# Altium PCB PM12_CFD.PcbDoc (part 10 of 12)
Units mm, origin at the board's own origin, x right, y up, seen from the top; angles counter-clockwise.
Board outline 96.25 x 362.25 mm, 6 copper layers (Top Layer, Mid-Layer 1, Mid-Layer 2, Mid-Layer 3, Mid-Layer 4, Bottom Layer); 1413 components, 2881 nets, 4503 pads, 1682 vias.
Unrouted connection lines stored in the file: 4.
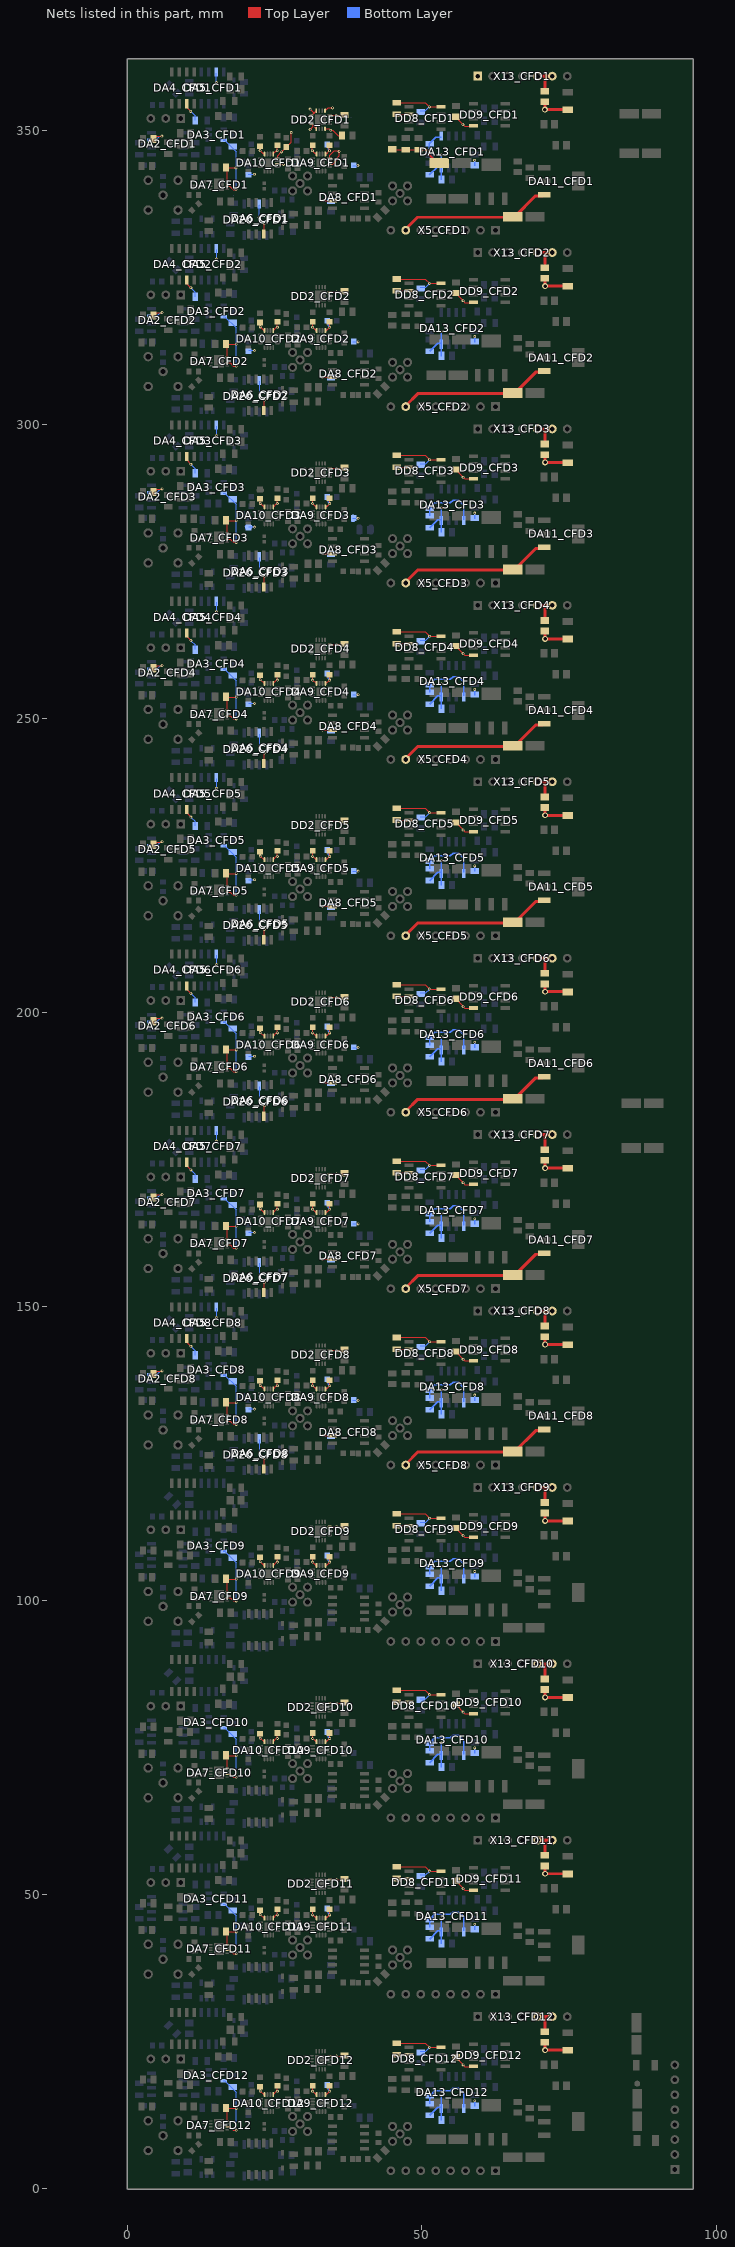
[diagram p14: the nets of this part, all layers, seen from the top]

## Via types
v1: diameter 0.48, hole 0.25, Top Layer to Bottom Layer, 1581 vias
v2: diameter 1, hole 0.6, Top Layer to Bottom Layer, 46 vias
v3: diameter 0.2/0/0/0/0/0.48 (per signal layer), hole 0.25, Top Layer to Bottom Layer, 33 vias
v4: diameter 4, hole 2.2, Top Layer to Bottom Layer, 12 vias
v5: diameter 0.5/0/0/0/0/1 (per signal layer), hole 0.6, Top Layer to Bottom Layer, 10 vias

## Nets (pads, with @x,y where several pads share a name; then routed paths per layer and width w, separated by ;. In a path a pad name is that pad's centre, name@x,y a point inside that pad or via, vN(x,y) a via of type N, cw(c..) or ccw(c..) an arc to the next point about the centre after c; other vN are vias at no path point) (continued)
NetDA13_CFD3_1: DA13_CFD3.1 R28_CFD3.1 R29_CFD3.2 | length 10.5
  Bottom Layer w0.25: R29_CFD3.2@51.3,284.4 51.3,285.685 51.285,285.7 52.2,286.615 54.845,286.615 55.295,287.065 56.235,287.065 57.114,286.185 DA13_CFD3.1@57.114,283.8
NetDA13_CFD4_1: DA13_CFD4.1 R28_CFD4.1 R29_CFD4.2 | length 10.5
  Bottom Layer w0.25: R29_CFD4.2@51.3,254.4 51.3,255.685 51.285,255.7 52.2,256.615 54.845,256.615 55.295,257.065 56.235,257.065 57.114,256.185 DA13_CFD4.1@57.114,253.8
NetDA13_CFD5_1: DA13_CFD5.1 R28_CFD5.1 R29_CFD5.2 | length 10.5
  Bottom Layer w0.25: R29_CFD5.2@51.3,224.4 51.3,225.685 51.285,225.7 52.2,226.615 54.845,226.615 55.295,227.065 56.235,227.065 57.114,226.185 DA13_CFD5.1@57.114,223.8
NetDA13_CFD6_1: DA13_CFD6.1 R28_CFD6.1 R29_CFD6.2 | length 10.5
  Bottom Layer w0.25: R29_CFD6.2@51.3,194.4 51.3,195.685 51.285,195.7 52.2,196.615 54.845,196.615 55.295,197.065 56.235,197.065 57.114,196.185 DA13_CFD6.1@57.114,193.8
NetDA13_CFD7_1: DA13_CFD7.1 R28_CFD7.1 R29_CFD7.2 | length 10.5
  Bottom Layer w0.25: R29_CFD7.2@51.3,164.4 51.3,165.685 51.285,165.7 52.2,166.615 54.845,166.615 55.295,167.065 56.235,167.065 57.114,166.185 DA13_CFD7.1@57.114,163.8
NetDA13_CFD8_1: DA13_CFD8.1 R28_CFD8.1 R29_CFD8.2 | length 10.5
  Bottom Layer w0.25: R29_CFD8.2@51.3,134.4 51.3,135.685 51.285,135.7 52.2,136.615 54.845,136.615 55.295,137.065 56.235,137.065 57.114,136.185 DA13_CFD8.1@57.114,133.8
NetDA13_CFD9_1: DA13_CFD9.1 R28_CFD9.1 R29_CFD9.2 | length 10.5
  Bottom Layer w0.25: R29_CFD9.2@51.3,104.4 51.3,105.685 51.285,105.7 52.2,106.615 54.845,106.615 55.295,107.065 56.235,107.065 57.114,106.185 DA13_CFD9.1@57.114,103.8
NetDA13_CFD10_1: DA13_CFD10.1 R28_CFD10.1 R29_CFD10.2 | length 10.5
  Bottom Layer w0.25: R29_CFD10.2@51.3,74.4 51.3,75.685 51.285,75.7 52.2,76.615 54.845,76.615 55.295,77.065 56.235,77.065 57.114,76.185 DA13_CFD10.1@57.114,73.8
NetDA13_CFD11_1: DA13_CFD11.1 R28_CFD11.1 R29_CFD11.2 | length 10.5
  Bottom Layer w0.25: R29_CFD11.2@51.3,44.4 51.3,45.685 51.285,45.7 52.2,46.615 54.845,46.615 55.295,47.065 56.235,47.065 57.114,46.185 DA13_CFD11.1@57.114,43.8
NetDA13_CFD12_1: DA13_CFD12.1 R28_CFD12.1 R29_CFD12.2 | length 10.5
  Bottom Layer w0.25: R29_CFD12.2@51.3,14.4 51.3,15.685 51.285,15.7 52.2,16.615 54.845,16.615 55.295,17.065 56.235,17.065 57.114,16.185 DA13_CFD12.1@57.114,13.8
NetDD8_CFD1_2: DD8_CFD1.2 R5_CFD1.1 | length 2.3
  Top Layer w0.2: R5_CFD1.1@45.67,352.7 45.684,352.686 DD8_CFD1.2@47.985,352.686
NetDD8_CFD2_2: DD8_CFD2.2 R5_CFD2.1 | length 2.3
  Top Layer w0.2: R5_CFD2.1@45.7,322.7 45.714,322.686 DD8_CFD2.2@48.015,322.686
NetDD8_CFD3_2: DD8_CFD3.2 R5_CFD3.1 | length 2.3
  Top Layer w0.2: R5_CFD3.1@45.7,292.7 45.714,292.686 DD8_CFD3.2@48.015,292.686
NetDD8_CFD4_2: DD8_CFD4.2 R5_CFD4.1 | length 2.3
  Top Layer w0.2: R5_CFD4.1@45.7,262.7 45.714,262.686 DD8_CFD4.2@48.015,262.686
NetDD8_CFD5_2: DD8_CFD5.2 R5_CFD5.1 | length 2.3
  Top Layer w0.2: R5_CFD5.1@45.7,232.7 45.714,232.686 DD8_CFD5.2@48.015,232.686
NetDD8_CFD6_2: DD8_CFD6.2 R5_CFD6.1 | length 2.3
  Top Layer w0.2: R5_CFD6.1@45.7,202.7 45.714,202.686 DD8_CFD6.2@48.015,202.686
NetDD8_CFD7_2: DD8_CFD7.2 R5_CFD7.1 | length 2.3
  Top Layer w0.2: R5_CFD7.1@45.7,172.7 45.714,172.686 DD8_CFD7.2@48.015,172.686
NetDD8_CFD8_2: DD8_CFD8.2 R5_CFD8.1 | length 2.3
  Top Layer w0.2: R5_CFD8.1@45.7,142.7 45.714,142.686 DD8_CFD8.2@48.015,142.686
NetDD8_CFD9_2: DD8_CFD9.2 R5_CFD9.1 | length 2.3
  Top Layer w0.2: R5_CFD9.1@45.7,112.7 45.714,112.686 DD8_CFD9.2@48.015,112.686
NetDD8_CFD10_2: DD8_CFD10.2 R5_CFD10.1 | length 2.3
  Top Layer w0.2: R5_CFD10.1@45.7,82.7 45.714,82.686 DD8_CFD10.2@48.015,82.686
NetDD8_CFD11_2: DD8_CFD11.2 R5_CFD11.1 | length 2.3
  Top Layer w0.2: R5_CFD11.1@45.7,52.7 45.714,52.686 DD8_CFD11.2@48.015,52.686
NetDD8_CFD12_2: DD8_CFD12.2 R5_CFD12.1 | length 2.3
  Top Layer w0.2: R5_CFD12.1@45.7,22.7 45.714,22.686 DD8_CFD12.2@48.015,22.686
NetL1_CFD1_2: L1_CFD1.2 X13_CFD1.5 X13_CFD1.6 | length 5.1
  Top Layer w0.5: X13_CFD1.5@69.63,359.2 70.9,359.2 ; L1_CFD1.2@70.9,356.627 70.9,359.2 ; X13_CFD1.6@72.17,359.2 70.9,359.2
NetL1_CFD2_2: L1_CFD2.2 X13_CFD2.5 X13_CFD2.6 | length 4.4
  Top Layer w0.5: X13_CFD2.5@69.66,329.2 70.93,329.2 ; 70.93,327.3 70.93,329.2 ; X13_CFD2.6@72.2,329.2 70.93,329.2
NetL1_CFD3_2: L1_CFD3.2 X13_CFD3.5 X13_CFD3.6 | length 4.4
  Top Layer w0.5: X13_CFD3.5@69.66,299.2 70.93,299.2 ; 70.93,297.3 70.93,299.2 ; X13_CFD3.6@72.2,299.2 70.93,299.2
NetL1_CFD4_2: L1_CFD4.2 X13_CFD4.5 X13_CFD4.6 | length 4.4
  Top Layer w0.5: X13_CFD4.5@69.66,269.2 70.93,269.2 ; 70.93,267.3 70.93,269.2 ; X13_CFD4.6@72.2,269.2 70.93,269.2
NetL1_CFD5_2: L1_CFD5.2 X13_CFD5.5 X13_CFD5.6 | length 4.4
  Top Layer w0.5: X13_CFD5.5@69.66,239.2 70.93,239.2 ; 70.93,237.3 70.93,239.2 ; X13_CFD5.6@72.2,239.2 70.93,239.2
NetL1_CFD6_2: L1_CFD6.2 X13_CFD6.5 X13_CFD6.6 | length 4.4
  Top Layer w0.5: X13_CFD6.5@69.66,209.2 70.93,209.2 ; 70.93,207.3 70.93,209.2 ; X13_CFD6.6@72.2,209.2 70.93,209.2
NetL1_CFD7_2: L1_CFD7.2 X13_CFD7.5 X13_CFD7.6 | length 4.4
  Top Layer w0.5: X13_CFD7.5@69.66,179.2 70.93,179.2 ; 70.93,177.3 70.93,179.2 ; X13_CFD7.6@72.2,179.2 70.93,179.2
NetL1_CFD8_2: L1_CFD8.2 X13_CFD8.5 X13_CFD8.6 | length 4.4
  Top Layer w0.5: X13_CFD8.5@69.66,149.2 70.93,149.2 ; 70.93,147.3 70.93,149.2 ; X13_CFD8.6@72.2,149.2 70.93,149.2
NetL1_CFD9_2: L1_CFD9.2 X13_CFD9.5 X13_CFD9.6 | length 4.4
  Top Layer w0.5: X13_CFD9.5@69.66,119.2 70.93,119.2 ; 70.93,117.3 70.93,119.2 ; X13_CFD9.6@72.2,119.2 70.93,119.2
NetL1_CFD10_2: L1_CFD10.2 X13_CFD10.5 X13_CFD10.6 | length 4.4
  Top Layer w0.5: X13_CFD10.5@69.66,89.2 70.93,89.2 ; 70.93,87.3 70.93,89.2 ; X13_CFD10.6@72.2,89.2 70.93,89.2
NetL1_CFD11_2: L1_CFD11.2 X13_CFD11.5 X13_CFD11.6 | length 4.4
  Top Layer w0.5: X13_CFD11.5@69.66,59.2 70.93,59.2 ; 70.93,57.3 70.93,59.2 ; X13_CFD11.6@72.2,59.2 70.93,59.2
NetL1_CFD12_2: L1_CFD12.2 X13_CFD12.5 X13_CFD12.6 | length 4.4
  Top Layer w0.5: X13_CFD12.5@69.66,29.2 70.93,29.2 ; 70.93,27.3 70.93,29.2 ; X13_CFD12.6@72.2,29.2 70.93,29.2
P1V3_CFD1: C8_CFD1.2 C18_CFD1.2 C42_CFD1.1 C72_CFD1.2 DA9_CFD1.6 DA9_CFD1.8 DA10_CFD1.6 DA10_CFD1.8 DA13_CFD1.5 DD2_CFD1.1 DD2_CFD1.4 DD2_CFD1.5 DD2_CFD1.8 DD2_CFD1.13 DD2_CFD1.16 R3_CFD1.2 R7_CFD1.2 R28_CFD1.2 X13_CFD1.1 | length 33.1
  Top Layer w0.2: DA10_CFD1.6@25.47,344.25 26.35,344.25 v1@26.4,344.2 ; DA10_CFD1.8@25.47,345.25 25.47,345.679 v1(26.1,346.309) 26.159,346.309 26.9,347.05 27.8,347.95 27.8,349.57 v1(27.77,349.6) ; v1(30.97,350.105) 31.52,350.655 ; v1(30.97,353.6) 31.645,352.925 ; DD2_CFD1.4@31.27,351.03 DD2_CFD1.5@32.02,350.28 ; DD2_CFD1.1@31.27,352.53 DD2_CFD1.16@32.02,353.28 ; DD2_CFD1.8@33.52,350.28 34.19,350.28 v1(34.47,350) 34.863,350 35.763,349.1 36.3,349.1 C72_CFD1.2@36.4,349.1 ; DD2_CFD1.13@33.52,353.28 34.04,353.8 v1(34.78,353.8) ; DA9_CFD1.6@34.32,344.25 34.79,344.25 35.47,344.93 35.47,345.245 35.92,345.695 v1@35.92,346.4 ; DA9_CFD1.8@34.32,345.25 34.32,345.743 35.067,346.49 35.81,346.49 v1(35.9,346.4) ; C72_CFD1.2@36.3,349.164 C72_CFD1.2@36.318,349.182 ; C8_CFD1.2@44.97,346.65 47.27,346.65 49.37,346.65 v1(51.185,346.65)
  Top Layer w0.25: v1(51.185,346.65) 51.185,345.935 C42_CFD1.1@52.67,344.45
  Bottom Layer w0.25: v1(51.185,346.65) 51.255,346.72 51.255,347.7 52.355,348.8 DA13_CFD1.5@53.274,348.8
  other v1: 26.43,344.2
P1V3_CFD2: C8_CFD2.2 C18_CFD2.2 C42_CFD2.1 C72_CFD2.2 DA9_CFD2.6 DA9_CFD2.8 DA10_CFD2.6 DA10_CFD2.8 DA13_CFD2.5 DD2_CFD2.1 DD2_CFD2.4 DD2_CFD2.5 DD2_CFD2.8 DD2_CFD2.13 DD2_CFD2.16 R3_CFD2.2 R7_CFD2.2 R28_CFD2.2 X13_CFD2.1 | length 33.1
  Top Layer w0.2: DA10_CFD2.6@25.5,314.25 26.38,314.25 v1@26.43,314.2 ; DA10_CFD2.8@25.5,315.25 25.5,315.679 v1(26.13,316.309) 26.189,316.309 26.93,317.05 27.83,317.95 27.83,319.57 v1(27.8,319.6) ; v1(31,320.105) 31.55,320.655 ; v1(31,323.6) 31.675,322.925 ; DD2_CFD2.4@31.3,321.03 DD2_CFD2.5@32.05,320.28 ; DD2_CFD2.1@31.3,322.53 DD2_CFD2.16@32.05,323.28 ; DD2_CFD2.8@33.55,320.28 34.22,320.28 v1(34.5,320) 34.893,320 35.793,319.1 C72_CFD2.2@36.43,319.1 ; DD2_CFD2.13@33.55,323.28 34.07,323.8 v1(34.81,323.8) ; DA9_CFD2.6@34.35,314.25 34.82,314.25 35.5,314.93 35.5,315.245 35.95,315.695 v1@35.95,316.4 ; DA9_CFD2.8@34.35,315.25 34.35,315.743 35.097,316.49 35.84,316.49 v1(35.93,316.4) ; C72_CFD2.2@36.33,319.164 C72_CFD2.2@36.348,319.182 ; C8_CFD2.2@45,316.65 47.3,316.65 49.4,316.65 v1(51.215,316.65)
  Top Layer w0.25: v1(51.215,316.65) 51.215,315.935 C42_CFD2.1@52.7,314.45
  Bottom Layer w0.25: v1(51.215,316.65) 51.285,316.72 51.285,317.7 52.385,318.8 DA13_CFD2.5@53.304,318.8
  other v1: 26.46,314.2
P1V3_CFD2: 
P1V3_CFD3: C8_CFD3.2 C18_CFD3.2 C42_CFD3.1 C72_CFD3.2 DA9_CFD3.6 DA9_CFD3.8 DA10_CFD3.6 DA10_CFD3.8 DA13_CFD3.5 DD2_CFD3.1 DD2_CFD3.4 DD2_CFD3.5 DD2_CFD3.8 DD2_CFD3.13 DD2_CFD3.16 R3_CFD3.2 R7_CFD3.2 R28_CFD3.2 X13_CFD3.1 | length 33.1
  Top Layer w0.2: DA10_CFD3.6@25.5,284.25 26.38,284.25 26.43,284.2 ; DA10_CFD3.8@25.5,285.25 25.5,285.679 v1(26.13,286.309) 26.189,286.309 26.93,287.05 27.83,287.95 27.83,289.57 v1(27.8,289.6) ; v1(31,290.105) 31.55,290.655 ; v1(31,293.6) 31.675,292.925 ; DD2_CFD3.4@31.3,291.03 DD2_CFD3.5@32.05,290.28 ; DD2_CFD3.1@31.3,292.53 DD2_CFD3.16@32.05,293.28 ; DD2_CFD3.8@33.55,290.28 34.22,290.28 v1(34.5,290) 34.893,290 35.793,289.1 C72_CFD3.2@36.43,289.1 ; DD2_CFD3.13@33.55,293.28 34.07,293.8 v1(34.81,293.8) ; DA9_CFD3.6@34.35,284.25 34.82,284.25 35.5,284.93 35.5,285.245 35.95,285.695 v1@35.95,286.4 ; DA9_CFD3.8@34.35,285.25 34.35,285.743 35.097,286.49 35.84,286.49 v1(35.93,286.4) ; C72_CFD3.2@36.33,289.164 C72_CFD3.2@36.348,289.182 ; C8_CFD3.2@45,286.65 47.3,286.65 49.4,286.65 v1(51.215,286.65)
  Top Layer w0.25: v1(51.215,286.65) 51.215,285.935 C42_CFD3.1@52.7,284.45
  Bottom Layer w0.25: v1(51.215,286.65) 51.285,286.72 51.285,287.7 52.385,288.8 DA13_CFD3.5@53.304,288.8
P1V3_CFD3: 
P1V3_CFD4: C8_CFD4.2 C18_CFD4.2 C42_CFD4.1 C72_CFD4.2 DA9_CFD4.6 DA9_CFD4.8 DA10_CFD4.6 DA10_CFD4.8 DA13_CFD4.5 DD2_CFD4.1 DD2_CFD4.4 DD2_CFD4.5 DD2_CFD4.8 DD2_CFD4.13 DD2_CFD4.16 R3_CFD4.2 R7_CFD4.2 R28_CFD4.2 X13_CFD4.1 | length 33.1
  Top Layer w0.2: DA10_CFD4.6@25.5,254.25 26.38,254.25 v1@26.43,254.2 ; DA10_CFD4.8@25.5,255.25 25.5,255.679 v1(26.13,256.309) 26.189,256.309 26.93,257.05 27.83,257.95 27.83,259.57 v1(27.8,259.6) ; v1(31,260.105) 31.55,260.655 ; v1(31,263.6) 31.675,262.925 ; DD2_CFD4.4@31.3,261.03 DD2_CFD4.5@32.05,260.28 ; DD2_CFD4.1@31.3,262.53 DD2_CFD4.16@32.05,263.28 ; DD2_CFD4.8@33.55,260.28 34.22,260.28 v1(34.5,260) 34.893,260 35.793,259.1 C72_CFD4.2@36.43,259.1 ; DD2_CFD4.13@33.55,263.28 34.07,263.8 v1(34.81,263.8) ; DA9_CFD4.6@34.35,254.25 34.82,254.25 35.5,254.93 35.5,255.245 35.95,255.695 v1@35.95,256.4 ; DA9_CFD4.8@34.35,255.25 34.35,255.743 35.097,256.49 35.84,256.49 v1(35.93,256.4) ; C72_CFD4.2@36.33,259.164 C72_CFD4.2@36.348,259.182 ; C8_CFD4.2@45,256.65 47.3,256.65 49.4,256.65 v1(51.215,256.65)
  Top Layer w0.25: v1(51.215,256.65) 51.215,255.935 C42_CFD4.1@52.7,254.45
  Bottom Layer w0.25: v1(51.215,256.65) 51.285,256.72 51.285,257.7 52.385,258.8 DA13_CFD4.5@53.304,258.8
  other v1: 26.46,254.2
P1V3_CFD4: 
P1V3_CFD5: C8_CFD5.2 C18_CFD5.2 C42_CFD5.1 C72_CFD5.2 DA9_CFD5.6 DA9_CFD5.8 DA10_CFD5.6 DA10_CFD5.8 DA13_CFD5.5 DD2_CFD5.1 DD2_CFD5.4 DD2_CFD5.5 DD2_CFD5.8 DD2_CFD5.13 DD2_CFD5.16 R3_CFD5.2 R7_CFD5.2 R28_CFD5.2 X13_CFD5.1 | length 33.1
  Top Layer w0.2: DA10_CFD5.6@25.5,224.25 26.38,224.25 v1@26.43,224.2 ; DA10_CFD5.8@25.5,225.25 25.5,225.679 v1(26.13,226.309) 26.189,226.309 26.93,227.05 27.83,227.95 27.83,229.57 v1(27.8,229.6) ; v1(31,230.105) 31.55,230.655 ; v1(31,233.6) 31.675,232.925 ; DD2_CFD5.4@31.3,231.03 DD2_CFD5.5@32.05,230.28 ; DD2_CFD5.1@31.3,232.53 DD2_CFD5.16@32.05,233.28 ; DD2_CFD5.8@33.55,230.28 34.22,230.28 v1(34.5,230) 34.893,230 35.793,229.1 C72_CFD5.2@36.43,229.1 ; DD2_CFD5.13@33.55,233.28 34.07,233.8 v1(34.81,233.8) ; DA9_CFD5.6@34.35,224.25 34.82,224.25 35.5,224.93 35.5,225.245 35.95,225.695 v1@35.95,226.4 ; DA9_CFD5.8@34.35,225.25 34.35,225.743 35.097,226.49 35.84,226.49 v1(35.93,226.4) ; C72_CFD5.2@36.33,229.164 C72_CFD5.2@36.348,229.182 ; C8_CFD5.2@45,226.65 47.3,226.65 49.4,226.65 v1(51.215,226.65)
  Top Layer w0.25: v1(51.215,226.65) 51.215,225.935 C42_CFD5.1@52.7,224.45
  Bottom Layer w0.25: v1(51.215,226.65) 51.285,226.72 51.285,227.7 52.385,228.8 DA13_CFD5.5@53.304,228.8
  other v1: 26.46,224.2
P1V3_CFD5: 
P1V3_CFD6: C8_CFD6.2 C18_CFD6.2 C42_CFD6.1 C72_CFD6.2 DA9_CFD6.6 DA9_CFD6.8 DA10_CFD6.6 DA10_CFD6.8 DA13_CFD6.5 DD2_CFD6.1 DD2_CFD6.4 DD2_CFD6.5 DD2_CFD6.8 DD2_CFD6.13 DD2_CFD6.16 R3_CFD6.2 R7_CFD6.2 R28_CFD6.2 X13_CFD6.1 | length 33.1
  Top Layer w0.2: DA10_CFD6.6@25.5,194.25 26.38,194.25 v1@26.43,194.2 ; DA10_CFD6.8@25.5,195.25 25.5,195.679 v1(26.13,196.309) 26.189,196.309 26.93,197.05 27.83,197.95 27.83,199.57 v1(27.8,199.6) ; v1(31,200.105) 31.55,200.655 ; v1(31,203.6) 31.675,202.925 ; DD2_CFD6.4@31.3,201.03 DD2_CFD6.5@32.05,200.28 ; DD2_CFD6.1@31.3,202.53 DD2_CFD6.16@32.05,203.28 ; DD2_CFD6.8@33.55,200.28 34.22,200.28 v1(34.5,200) 34.893,200 35.793,199.1 C72_CFD6.2@36.43,199.1 ; DD2_CFD6.13@33.55,203.28 34.07,203.8 v1(34.81,203.8) ; DA9_CFD6.6@34.35,194.25 34.82,194.25 35.5,194.93 35.5,195.245 35.95,195.695 v1@35.95,196.4 ; DA9_CFD6.8@34.35,195.25 34.35,195.743 35.097,196.49 35.84,196.49 v1(35.93,196.4) ; C72_CFD6.2@36.33,199.164 C72_CFD6.2@36.348,199.182 ; C8_CFD6.2@45,196.65 47.3,196.65 49.4,196.65 v1(51.215,196.65)
  Top Layer w0.25: v1(51.215,196.65) 51.215,195.935 C42_CFD6.1@52.7,194.45
  Bottom Layer w0.25: v1(51.215,196.65) 51.285,196.72 51.285,197.7 52.385,198.8 DA13_CFD6.5@53.304,198.8
  other v1: 26.46,194.2
P1V3_CFD6: 
P1V3_CFD7: C8_CFD7.2 C18_CFD7.2 C42_CFD7.1 C72_CFD7.2 DA9_CFD7.6 DA9_CFD7.8 DA10_CFD7.6 DA10_CFD7.8 DA13_CFD7.5 DD2_CFD7.1 DD2_CFD7.4 DD2_CFD7.5 DD2_CFD7.8 DD2_CFD7.13 DD2_CFD7.16 R3_CFD7.2 R7_CFD7.2 R28_CFD7.2 X13_CFD7.1 | length 33.1
  Top Layer w0.2: DA10_CFD7.6@25.5,164.25 26.38,164.25 v1@26.43,164.2 ; DA10_CFD7.8@25.5,165.25 25.5,165.679 v1(26.13,166.309) 26.189,166.309 26.93,167.05 27.83,167.95 27.83,169.57 v1(27.8,169.6) ; v1(31,170.105) 31.55,170.655 ; v1(31,173.6) 31.675,172.925 ; DD2_CFD7.4@31.3,171.03 DD2_CFD7.5@32.05,170.28 ; DD2_CFD7.1@31.3,172.53 DD2_CFD7.16@32.05,173.28 ; DD2_CFD7.8@33.55,170.28 34.22,170.28 v1(34.5,170) 34.893,170 35.793,169.1 C72_CFD7.2@36.43,169.1 ; DD2_CFD7.13@33.55,173.28 34.07,173.8 v1(34.81,173.8) ; DA9_CFD7.6@34.35,164.25 34.82,164.25 35.5,164.93 35.5,165.245 35.95,165.695 v1@35.95,166.4 ; DA9_CFD7.8@34.35,165.25 34.35,165.743 35.097,166.49 35.84,166.49 v1(35.93,166.4) ; C72_CFD7.2@36.33,169.164 C72_CFD7.2@36.348,169.182 ; C8_CFD7.2@45,166.65 47.3,166.65 49.4,166.65 v1(51.215,166.65)
  Top Layer w0.25: v1(51.215,166.65) 51.215,165.935 C42_CFD7.1@52.7,164.45
  Bottom Layer w0.25: v1(51.215,166.65) 51.285,166.72 51.285,167.7 52.385,168.8 DA13_CFD7.5@53.304,168.8
  other v1: 26.46,164.2
P1V3_CFD7: 
P1V3_CFD8: C8_CFD8.2 C18_CFD8.2 C42_CFD8.1 C72_CFD8.2 DA9_CFD8.6 DA9_CFD8.8 DA10_CFD8.6 DA10_CFD8.8 DA13_CFD8.5 DD2_CFD8.1 DD2_CFD8.4 DD2_CFD8.5 DD2_CFD8.8 DD2_CFD8.13 DD2_CFD8.16 R3_CFD8.2 R7_CFD8.2 R28_CFD8.2 X13_CFD8.1 | length 33.1
  Top Layer w0.2: DA10_CFD8.6@25.5,134.25 26.38,134.25 v1@26.43,134.2 ; DA10_CFD8.8@25.5,135.25 25.5,135.679 v1(26.13,136.309) 26.189,136.309 26.93,137.05 27.83,137.95 27.83,139.57 v1(27.8,139.6) ; v1(31,140.105) 31.55,140.655 ; v1(31,143.6) 31.675,142.925 ; DD2_CFD8.4@31.3,141.03 DD2_CFD8.5@32.05,140.28 ; DD2_CFD8.1@31.3,142.53 DD2_CFD8.16@32.05,143.28 ; DD2_CFD8.8@33.55,140.28 34.22,140.28 v1(34.5,140) 34.893,140 35.793,139.1 C72_CFD8.2@36.43,139.1 ; DD2_CFD8.13@33.55,143.28 34.07,143.8 v1(34.81,143.8) ; DA9_CFD8.6@34.35,134.25 34.82,134.25 35.5,134.93 35.5,135.245 35.95,135.695 v1@35.95,136.4 ; DA9_CFD8.8@34.35,135.25 34.35,135.743 35.097,136.49 35.84,136.49 v1(35.93,136.4) ; C72_CFD8.2@36.33,139.164 C72_CFD8.2@36.348,139.182 ; C8_CFD8.2@45,136.65 47.3,136.65 49.4,136.65 v1(51.215,136.65)
  Top Layer w0.25: v1(51.215,136.65) 51.215,135.935 C42_CFD8.1@52.7,134.45
  Bottom Layer w0.25: v1(51.215,136.65) 51.285,136.72 51.285,137.7 52.385,138.8 DA13_CFD8.5@53.304,138.8
  other v1: 26.46,134.2
P1V3_CFD8: 
P1V3_CFD9: C8_CFD9.2 C18_CFD9.2 C42_CFD9.1 C72_CFD9.2 DA9_CFD9.6 DA9_CFD9.8 DA10_CFD9.6 DA10_CFD9.8 DA13_CFD9.5 DD2_CFD9.1 DD2_CFD9.4 DD2_CFD9.5 DD2_CFD9.8 DD2_CFD9.13 DD2_CFD9.16 R3_CFD9.2 R7_CFD9.2 R28_CFD9.2 X13_CFD9.1 | length 33.1
  Top Layer w0.2: DA10_CFD9.6@25.5,104.25 26.38,104.25 v1@26.43,104.2 ; DA10_CFD9.8@25.5,105.25 25.5,105.679 v1(26.13,106.309) 26.189,106.309 26.93,107.05 27.83,107.95 27.83,109.57 v1(27.8,109.6) ; v1(31,110.105) 31.55,110.655 ; v1(31,113.6) 31.675,112.925 ; DD2_CFD9.4@31.3,111.03 DD2_CFD9.5@32.05,110.28 ; DD2_CFD9.1@31.3,112.53 DD2_CFD9.16@32.05,113.28 ; DD2_CFD9.8@33.55,110.28 34.22,110.28 v1(34.5,110) 34.893,110 35.793,109.1 C72_CFD9.2@36.43,109.1 ; DD2_CFD9.13@33.55,113.28 34.07,113.8 v1(34.81,113.8) ; DA9_CFD9.6@34.35,104.25 34.82,104.25 35.5,104.93 35.5,105.245 35.95,105.695 v1@35.95,106.4 ; DA9_CFD9.8@34.35,105.25 34.35,105.743 35.097,106.49 35.84,106.49 v1(35.93,106.4) ; C72_CFD9.2@36.33,109.164 C72_CFD9.2@36.348,109.182 ; C8_CFD9.2@45,106.65 47.3,106.65 49.4,106.65 v1(51.215,106.65)
  Top Layer w0.25: v1(51.215,106.65) 51.215,105.935 C42_CFD9.1@52.7,104.45
  Bottom Layer w0.25: v1(51.215,106.65) 51.285,106.72 51.285,107.7 52.385,108.8 DA13_CFD9.5@53.304,108.8
  other v1: 26.46,104.2
P1V3_CFD9: 
P1V3_CFD10: C8_CFD10.2 C18_CFD10.2 C42_CFD10.1 C72_CFD10.2 DA9_CFD10.6 DA9_CFD10.8 DA10_CFD10.6 DA10_CFD10.8 DA13_CFD10.5 DD2_CFD10.1 DD2_CFD10.4 DD2_CFD10.5 DD2_CFD10.8 DD2_CFD10.13 DD2_CFD10.16 R3_CFD10.2 R7_CFD10.2 R28_CFD10.2 X13_CFD10.1 | length 33.1
  Top Layer w0.2: DA10_CFD10.6@25.5,74.25 26.38,74.25 v1@26.43,74.2 ; DA10_CFD10.8@25.5,75.25 25.5,75.679 v1(26.13,76.309) 26.189,76.309 26.93,77.05 27.83,77.95 27.83,79.57 v1(27.8,79.6) ; v1(31,80.105) 31.55,80.655 ; v1(31,83.6) 31.675,82.925 ; DD2_CFD10.4@31.3,81.03 DD2_CFD10.5@32.05,80.28 ; DD2_CFD10.1@31.3,82.53 DD2_CFD10.16@32.05,83.28 ; DD2_CFD10.8@33.55,80.28 34.22,80.28 v1(34.5,80) 34.893,80 35.793,79.1 C72_CFD10.2@36.43,79.1 ; DD2_CFD10.13@33.55,83.28 34.07,83.8 v1(34.81,83.8) ; DA9_CFD10.6@34.35,74.25 34.82,74.25 35.5,74.93 35.5,75.245 35.95,75.695 v1@35.95,76.4 ; DA9_CFD10.8@34.35,75.25 34.35,75.743 35.097,76.49 35.84,76.49 v1(35.93,76.4) ; C72_CFD10.2@36.33,79.164 C72_CFD10.2@36.348,79.182 ; C8_CFD10.2@45,76.65 47.3,76.65 49.4,76.65 v1(51.215,76.65)
  Top Layer w0.25: v1(51.215,76.65) 51.215,75.935 C42_CFD10.1@52.7,74.45
  Bottom Layer w0.25: v1(51.215,76.65) 51.285,76.72 51.285,77.7 52.385,78.8 DA13_CFD10.5@53.304,78.8
  other v1: 26.46,74.2
P1V3_CFD10: 
P1V3_CFD11: C8_CFD11.2 C18_CFD11.2 C42_CFD11.1 C72_CFD11.2 DA9_CFD11.6 DA9_CFD11.8 DA10_CFD11.6 DA10_CFD11.8 DA13_CFD11.5 DD2_CFD11.1 DD2_CFD11.4 DD2_CFD11.5 DD2_CFD11.8 DD2_CFD11.13 DD2_CFD11.16 R3_CFD11.2 R7_CFD11.2 R28_CFD11.2 X13_CFD11.1 | length 33.1
  Top Layer w0.2: DA10_CFD11.6@25.5,44.25 26.38,44.25 v1@26.43,44.2 ; DA10_CFD11.8@25.5,45.25 25.5,45.679 v1(26.13,46.309) 26.189,46.309 26.93,47.05 27.83,47.95 27.83,49.57 v1(27.8,49.6) ; v1(31,50.105) 31.55,50.655 ; v1(31,53.6) 31.675,52.925 ; DD2_CFD11.4@31.3,51.03 DD2_CFD11.5@32.05,50.28 ; DD2_CFD11.1@31.3,52.53 DD2_CFD11.16@32.05,53.28 ; DD2_CFD11.8@33.55,50.28 34.22,50.28 v1(34.5,50) 34.893,50 35.793,49.1 C72_CFD11.2@36.43,49.1 ; DD2_CFD11.13@33.55,53.28 34.07,53.8 v1(34.81,53.8) ; DA9_CFD11.6@34.35,44.25 34.82,44.25 35.5,44.93 35.5,45.245 35.95,45.695 v1@35.95,46.4 ; DA9_CFD11.8@34.35,45.25 34.35,45.743 35.097,46.49 35.84,46.49 v1(35.93,46.4) ; C72_CFD11.2@36.33,49.164 C72_CFD11.2@36.348,49.182 ; C8_CFD11.2@45,46.65 47.3,46.65 49.4,46.65 v1(51.215,46.65)
  Top Layer w0.25: v1(51.215,46.65) 51.215,45.935 C42_CFD11.1@52.7,44.45
  Bottom Layer w0.25: v1(51.215,46.65) 51.285,46.72 51.285,47.7 52.385,48.8 DA13_CFD11.5@53.304,48.8
  other v1: 26.46,44.2
P1V3_CFD11: 
P1V3_CFD12: C8_CFD12.2 C18_CFD12.2 C42_CFD12.1 C72_CFD12.2 DA9_CFD12.6 DA9_CFD12.8 DA10_CFD12.6 DA10_CFD12.8 DA13_CFD12.5 DD2_CFD12.1 DD2_CFD12.4 DD2_CFD12.5 DD2_CFD12.8 DD2_CFD12.13 DD2_CFD12.16 R3_CFD12.2 R7_CFD12.2 R28_CFD12.2 X13_CFD12.1 | length 33.1
  Top Layer w0.2: DA10_CFD12.6@25.5,14.25 26.38,14.25 v1@26.43,14.2 ; DA10_CFD12.8@25.5,15.25 25.5,15.679 v1(26.13,16.309) 26.189,16.309 26.93,17.05 27.83,17.95 27.83,19.57 v1(27.8,19.6) ; v1(31,20.105) 31.55,20.655 ; v1(31,23.6) 31.675,22.925 ; DD2_CFD12.4@31.3,21.03 DD2_CFD12.5@32.05,20.28 ; DD2_CFD12.1@31.3,22.53 DD2_CFD12.16@32.05,23.28 ; DD2_CFD12.8@33.55,20.28 34.22,20.28 v1(34.5,20) 34.893,20 35.793,19.1 C72_CFD12.2@36.43,19.1 ; DD2_CFD12.13@33.55,23.28 34.07,23.8 v1(34.81,23.8) ; DA9_CFD12.6@34.35,14.25 34.82,14.25 35.5,14.93 35.5,15.245 35.95,15.695 v1@35.95,16.4 ; DA9_CFD12.8@34.35,15.25 34.35,15.743 35.097,16.49 35.84,16.49 v1(35.93,16.4) ; C72_CFD12.2@36.33,19.164 C72_CFD12.2@36.348,19.182 ; C8_CFD12.2@45,16.65 47.3,16.65 49.4,16.65 v1(51.215,16.65)
  Top Layer w0.25: v1(51.215,16.65) 51.215,15.935 C42_CFD12.1@52.7,14.45
  Bottom Layer w0.25: v1(51.215,16.65) 51.285,16.72 51.285,17.7 52.385,18.8 DA13_CFD12.5@53.304,18.8
  other v1: 26.46,14.2
P1V3_CFD12: 
P2V5_CFD1: C3_CFD1.2 C7_CFD1.2 DA3_CFD1.5 DA7_CFD1.6 DA7_CFD1.8 | length 14.9
  Top Layer w0.2: DA7_CFD1.6@16.87,340.45 17.32,340.45 17.87,339.9 v1(18.37,339.9) ; DA7_CFD1.8@16.87,341.45 16.87,343.6 16.97,343.7 17.07,343.6 v1(18.37,343.6)
  Bottom Layer w0.2: DA3_CFD1.5@16.17,348.3 16.45,348.3 18.37,346.38 v1(18.37,343.6) v1(18.37,339.9)
P2V5_CFD2: C3_CFD2.2 C7_CFD2.2 DA3_CFD2.5 DA7_CFD2.6 DA7_CFD2.8 | length 14.9
  Top Layer w0.2: DA7_CFD2.6@16.9,310.45 17.35,310.45 17.9,309.9 v1(18.4,309.9) ; DA7_CFD2.8@16.9,311.45 16.9,313.6 17,313.7 17.1,313.6 v1(18.4,313.6)
  Bottom Layer w0.2: DA3_CFD2.5@16.2,318.3 16.48,318.3 18.4,316.38 v1(18.4,313.6) v1(18.4,309.9)
P2V5_CFD3: C3_CFD3.2 C7_CFD3.2 DA3_CFD3.5 DA7_CFD3.6 DA7_CFD3.8 | length 14.9
  Top Layer w0.2: DA7_CFD3.6@16.9,280.45 17.35,280.45 17.9,279.9 v1(18.4,279.9) ; DA7_CFD3.8@16.9,281.45 16.9,283.6 17,283.7 17.1,283.6 v1(18.4,283.6)
  Bottom Layer w0.2: DA3_CFD3.5@16.2,288.3 16.48,288.3 18.4,286.38 v1(18.4,283.6) v1(18.4,279.9)
P2V5_CFD4: C3_CFD4.2 C7_CFD4.2 DA3_CFD4.5 DA7_CFD4.6 DA7_CFD4.8 | length 14.9
  Top Layer w0.2: DA7_CFD4.6@16.9,250.45 17.35,250.45 17.9,249.9 v1(18.4,249.9) ; DA7_CFD4.8@16.9,251.45 16.9,253.6 17,253.7 17.1,253.6 v1(18.4,253.6)